# KiCad board central-control-unit.kicad_pcb (continued)
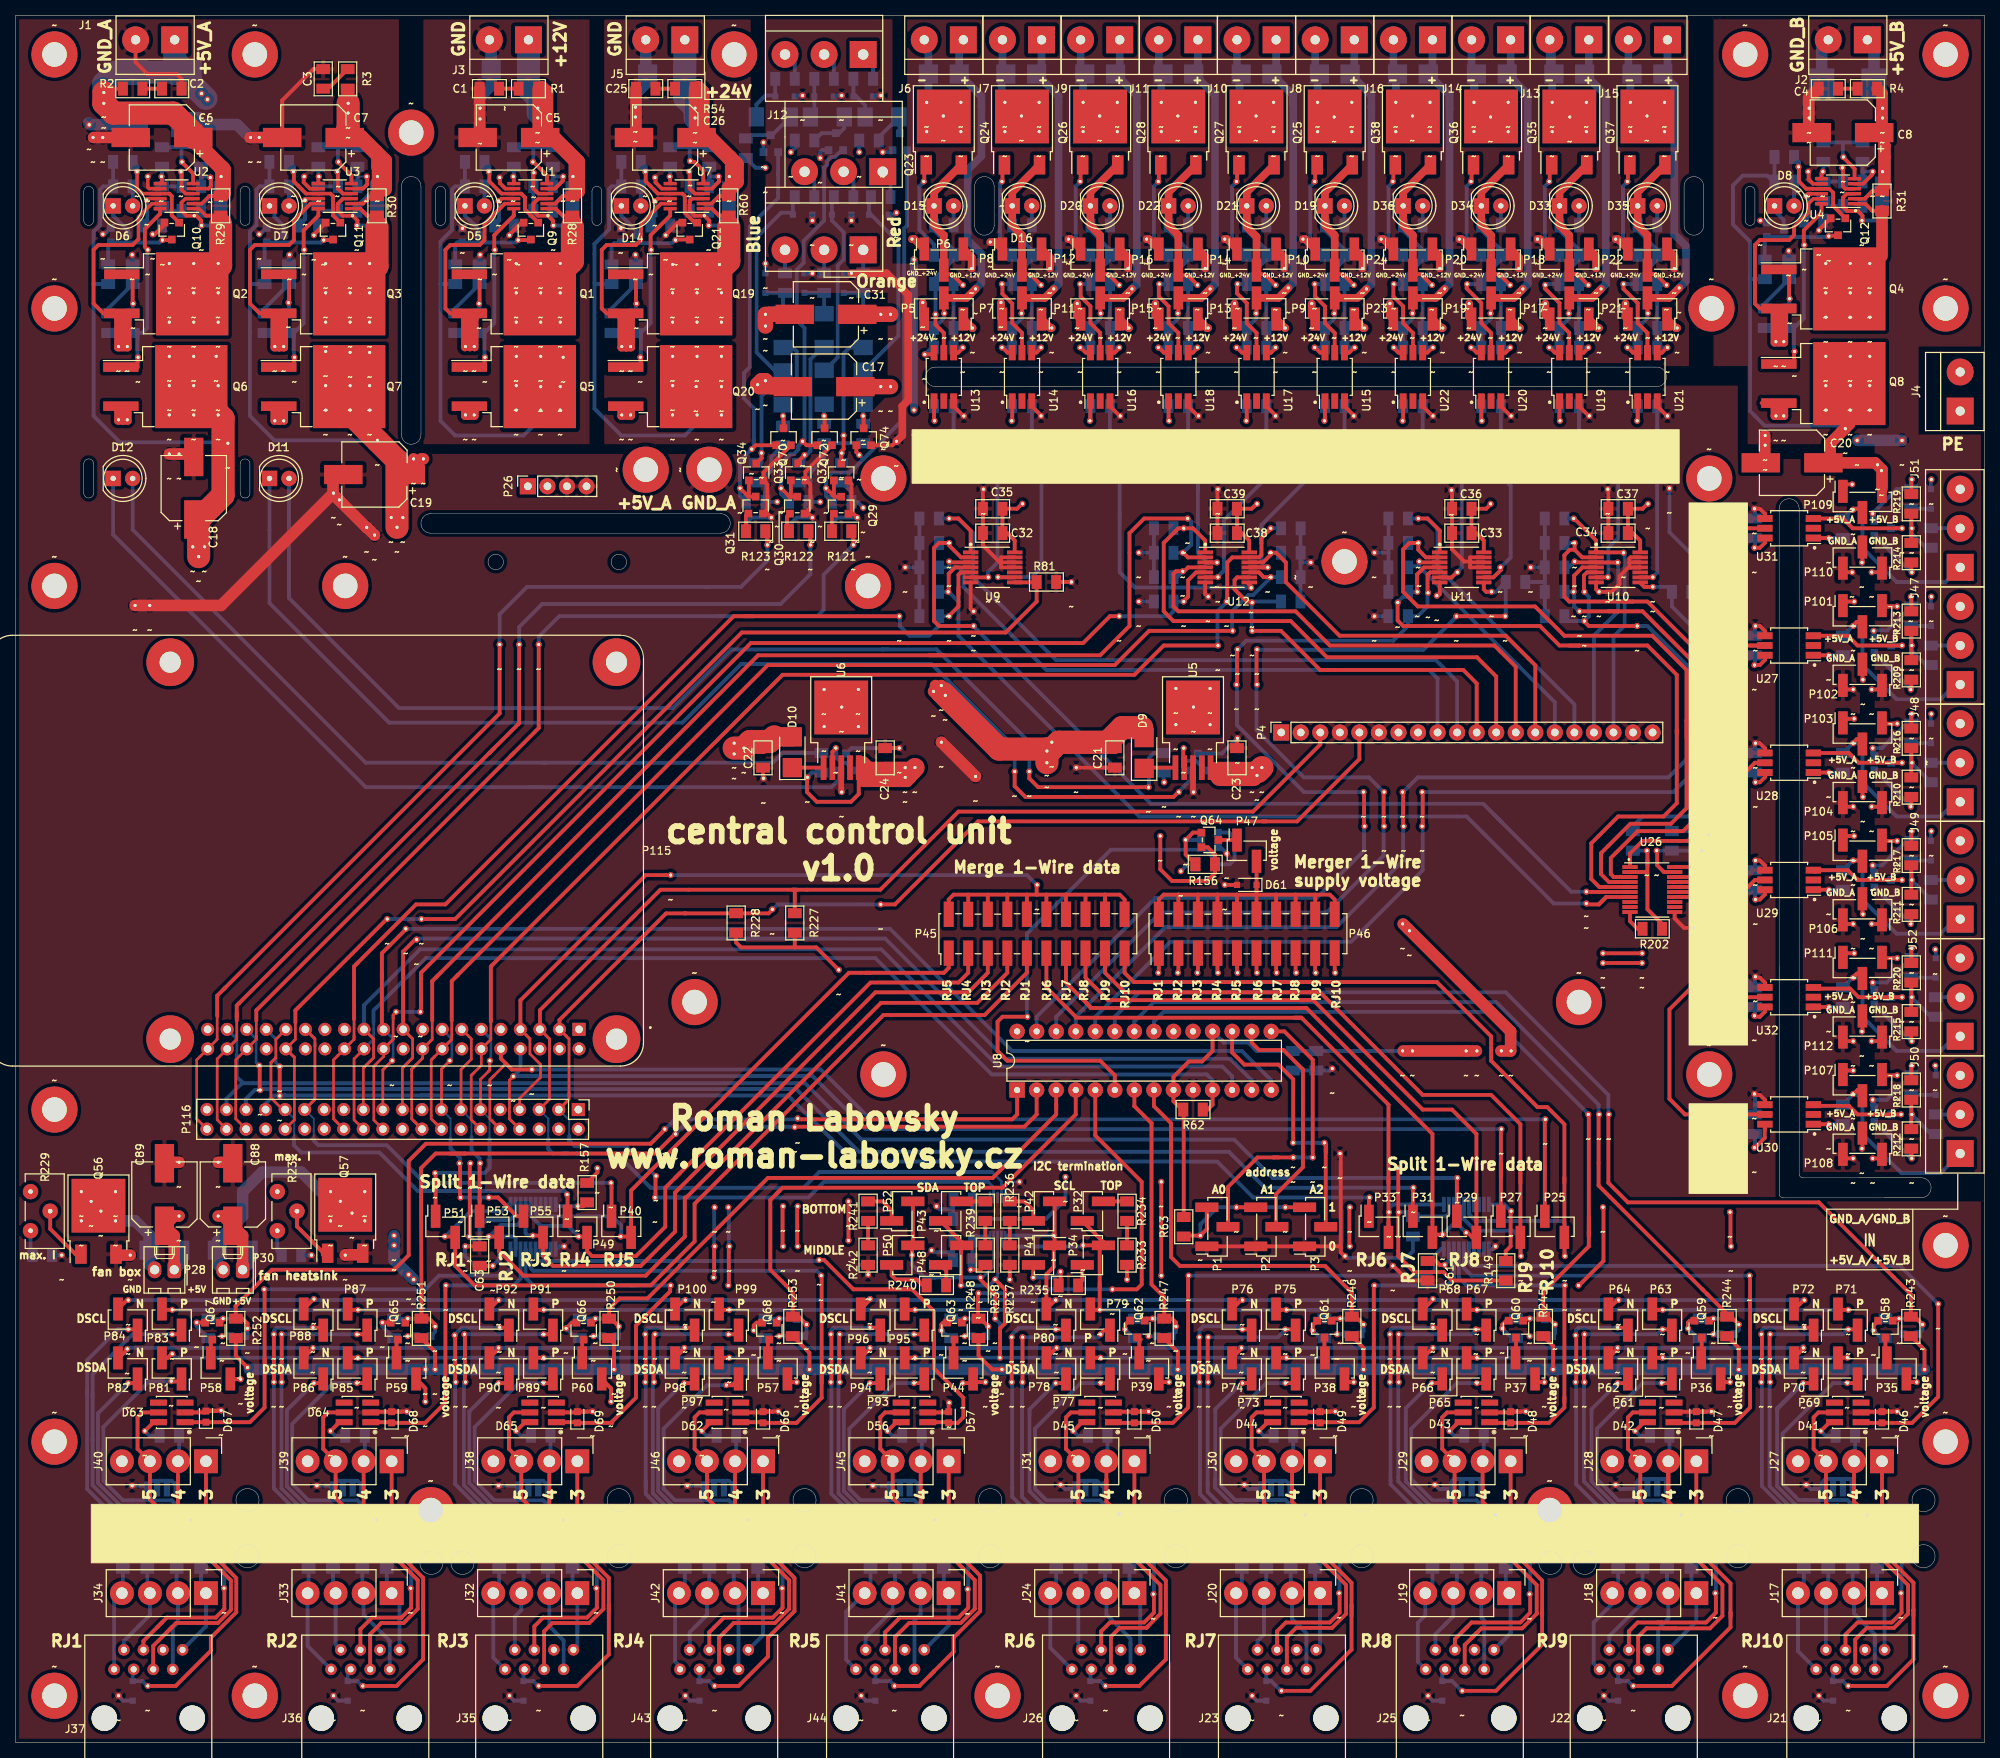
[diagram p0: board, top side]
## Placement (name value [footprint] x y rotation side) (continued)
~#683  ~  [via_pad_0.4x0.8mm]  226 77.34 0 top
~#684  ~  [via_pad_0.4x0.8mm]  238.82 75.95 0 top
~#685  ~  [via_pad_0.4x0.8mm]  241.36 83.57 0 top
~#686  ~  [via_pad_0.4x0.8mm]  249.49 88.01 0 top
~#687  ~  [via_pad_0.4x0.8mm]  244.54 101.98 0 top
~#688  ~  [via_pad_0.4x0.8mm]  244.54 117.22 0 top
~#689  ~  [via_pad_0.4x0.8mm]  244.54 132.46 0 top
~#690  ~  [via_pad_0.4x0.8mm]  244.54 147.7 0 top
~#691  ~  [via_pad_0.4x0.8mm]  241.24 91.19 0 top
~#692  ~  [via_pad_0.4x0.8mm]  241.24 106.43 0 top
~#693  ~  [via_pad_0.4x0.8mm]  241.24 121.67 0 top
~#694  ~  [via_pad_0.4x0.8mm]  241.24 136.91 0 top
~#695  ~  [via_pad_0.4x0.8mm]  241.24 152.15 0 top
~#696  ~  [via_pad_0.4x0.8mm]  238.95 102.62 0 top
~#697  ~  [via_pad_0.4x0.8mm]  238.95 117.86 0 top
~#698  ~  [via_pad_0.4x0.8mm]  238.95 133.1 0 top
~#699  ~  [via_pad_0.4x0.8mm]  238.95 148.34 0 top
~#700  ~  [via_pad_0.4x0.8mm]  238.7 163.58 0 top
~#701  ~  [via_pad_0.4x0.8mm]  238.82 91.19 0 top
~#702  ~  [via_pad_0.4x0.8mm]  238.82 106.43 0 top
~#703  ~  [via_pad_0.4x0.8mm]  238.82 121.67 0 top
~#704  ~  [via_pad_0.4x0.8mm]  238.82 136.91 0 top
~#705  ~  [via_pad_0.4x0.8mm]  238.7 152.15 0 top
~#706  ~  [via_pad_0.4x0.8mm]  246.44 103.25 0 top
~#707  ~  [via_pad_0.4x0.8mm]  246.44 118.49 0 top
~#708  ~  [via_pad_0.4x0.8mm]  246.44 133.73 0 top
~#709  ~  [via_pad_0.4x0.8mm]  246.32 148.97 0 top
~#710  ~  [via_pad_0.4x0.8mm]  246.44 164.21 0 top
~#711  ~  [via_pad_0.4x0.8mm]  242.51 165.35 0 top
~#712  ~  [via_pad_0.4x0.8mm]  242 166.12 0 top
~#713  ~  [via_pad_0.4x0.8mm]  245.17 169.29 0 top
~#714  ~  [via_pad_0.4x0.8mm]  239.33 169.29 0 top
~#715  ~  [via_pad_0.4x0.8mm]  227.39 169.93 0 top
~#716  ~  [via_pad_0.4x0.8mm]  227.39 168.66 0 top
~#717  ~  [via_pad_0.4x0.8mm]  228.79 172.47 0 top
~#718  ~  [via_pad_0.4x0.8mm]  229.81 182.12 0 top
~#719  ~  [via_pad_0.4x0.8mm]  228.79 182.12 0 top
~#720  ~  [via_pad_0.4x0.8mm]  232.47 194.69 0 top
~#721  ~  [via_pad_0.4x0.8mm]  226.76 197.87 0 top
~#722  ~  [via_pad_0.4x0.8mm]  234.38 196.6 0 top
~#723  ~  [via_pad_0.4x0.8mm]  232.98 204.22 0 top
~#724  ~  [via_pad_0.4x0.8mm]  242.63 211.2 0 top
~#725  ~  [via_pad_0.4x0.8mm]  233.11 211.2 0 top
~#726  ~  [via_pad_0.4x0.8mm]  205.8 183.9 0 top
~#727  ~  [via_pad_0.4x0.8mm]  198.82 187.07 0 top
~#728  ~  [via_pad_0.4x0.8mm]  205.42 191.64 0 top
~#729  ~  [via_pad_0.4x0.8mm]  195.39 191.64 0 top
~#730  ~  [via_pad_0.4x0.8mm]  185.1 191.64 0 top
~#731  ~  [via_pad_0.4x0.8mm]  175.07 191.64 0 top
~#732  ~  [via_pad_0.4x0.8mm]  164.91 191.64 0 top
~#733  ~  [via_pad_0.4x0.8mm]  154.62 191.64 0 top
~#734  ~  [via_pad_0.4x0.8mm]  144.59 191.64 0 top
~#735  ~  [via_pad_0.4x0.8mm]  134.43 191.64 0 top
~#736  ~  [via_pad_0.4x0.8mm]  124.27 191.64 0 top
~#737  ~  [via_pad_0.4x0.8mm]  197.8 195.45 0 top
~#738  ~  [via_pad_0.4x0.8mm]  187.64 195.45 0 top
~#739  ~  [via_pad_0.4x0.8mm]  177.48 195.45 0 top
~#740  ~  [via_pad_0.4x0.8mm]  167.32 195.45 0 top
~#741  ~  [via_pad_0.4x0.8mm]  147 195.45 0 top
~#742  ~  [via_pad_0.4x0.8mm]  136.84 195.45 0 top
~#743  ~  [via_pad_0.4x0.8mm]  126.68 195.07 0 top
~#744  ~  [via_pad_0.4x0.8mm]  116.52 195.45 0 top
~#745  ~  [via_pad_0.4x0.8mm]  120.59 211.45 0 top
~#746  ~  [via_pad_0.4x0.8mm]  212.15 185.8 0 top
~#747  ~  [via_pad_0.4x0.8mm]  216.22 189.1 0 top
~#748  ~  [via_pad_0.4x0.8mm]  209.49 202.95 0 top
~#749  ~  [via_pad_0.4x0.8mm]  201.87 185.8 0 top
~#750  ~  [via_pad_0.4x0.8mm]  206.06 188.98 0 top
~#751  ~  [via_pad_0.4x0.8mm]  191.71 185.8 0 top
~#752  ~  [via_pad_0.4x0.8mm]  195.9 188.98 0 top
~#753  ~  [via_pad_0.4x0.8mm]  181.55 185.8 0 top
~#754  ~  [via_pad_0.4x0.8mm]  185.74 188.98 0 top
~#755  ~  [via_pad_0.4x0.8mm]  171.39 185.8 0 top
~#756  ~  [via_pad_0.4x0.8mm]  175.58 188.98 0 top
~#757  ~  [via_pad_0.4x0.8mm]  161.23 185.8 0 top
~#758  ~  [via_pad_0.4x0.8mm]  165.42 189.1 0 top
~#759  ~  [via_pad_0.4x0.8mm]  151.07 185.8 0 top
~#760  ~  [via_pad_0.4x0.8mm]  155.26 188.98 0 top
~#761  ~  [via_pad_0.4x0.8mm]  141.03 185.8 0 top
~#762  ~  [via_pad_0.4x0.8mm]  145.1 188.98 0 top
~#763  ~  [via_pad_0.4x0.8mm]  130.75 185.8 0 top
~#764  ~  [via_pad_0.4x0.8mm]  134.94 188.98 0 top
~#765  ~  [via_pad_0.4x0.8mm]  120.71 185.8 0 top
~#766  ~  [via_pad_0.4x0.8mm]  124.78 188.98 0 top
~#767  ~  [via_pad_0.4x0.8mm]  50.36 159.26 0 top
~#768  ~  [via_pad_0.4x0.8mm]  49.59 157.99 0 top
~#769  ~  [via_pad_0.4x0.8mm]  47.05 169.29 0 top
~#770  ~  [via_pad_0.4x0.8mm]  45.66 157.99 0 top
~#771  ~  [via_pad_0.4x0.8mm]  41.34 162.43 0 top
~#772  ~  [via_pad_0.4x0.8mm]  65.47 142.75 0 top
~#773  ~  [via_pad_0.4x0.8mm]  62.93 142.75 0 top
~#774  ~  [via_pad_0.4x0.8mm]  23.81 154.18 0 top
~#775  ~  [via_pad_0.4x0.8mm]  23.05 155.45 0 top
~#776  ~  [via_pad_0.4x0.8mm]  33.72 171.83 0 top
~#777  ~  [via_pad_0.4x0.8mm]  34.86 181.48 0 top
~#778  ~  [via_pad_0.4x0.8mm]  33.72 181.48 0 top
~#779  ~  [via_pad_0.4x0.8mm]  31.69 196.09 0 top
~#780  ~  [via_pad_0.4x0.8mm]  38.8 195.96 0 top
~#781  ~  [via_pad_0.4x0.8mm]  37.53 203.58 0 top
~#782  ~  [via_pad_0.4x0.8mm]  31.69 208.66 0 top
~#783  ~  [via_pad_0.4x0.8mm]  30.54 208.66 0 top
~#784  ~  [via_pad_0.4x0.8mm]  43.24 211.84 0 top
~#785  ~  [via_pad_0.4x0.8mm]  43.24 213.11 0 top
~#786  ~  [via_pad_0.4x0.8mm]  24.96 213.61 0 top
~#787  ~  [via_pad_0.4x0.8mm]  24.19 214.38 0 top
~#788  ~  [via_pad_0.4x0.8mm]  20 167.51 0 top
~#789  ~  [via_pad_0.4x0.8mm]  13.4 171.96 0 top
~#790  ~  [via_pad_0.4x0.8mm]  14.54 181.48 0 top
~#791  ~  [via_pad_0.4x0.8mm]  13.4 181.48 0 top
~#792  ~  [via_pad_0.4x0.8mm]  15.18 193.42 0 top
~#793  ~  [via_pad_0.4x0.8mm]  11.37 196.09 0 top
~#794  ~  [via_pad_0.4x0.8mm]  17.84 196.09 0 top
~#795  ~  [via_pad_0.4x0.8mm]  17.21 203.58 0 top
~#796  ~  [via_pad_0.4x0.8mm]  11.37 208.66 0 top
~#797  ~  [via_pad_0.4x0.8mm]  10.1 208.66 0 top
~#798  ~  [via_pad_0.4x0.8mm]  9.59 210.31 0 top
~#799  ~  [via_pad_0.4x0.8mm]  11.49 213.11 0 top
~#800  ~  [via_pad_0.4x0.8mm]  11.49 214.5 0 top
~#801  ~  [via_pad_0.4x0.8mm]  61.53 204.22 0 top
~#802  ~  [via_pad_0.4x0.8mm]  62.8 200.41 0 top
~#803  ~  [via_pad_0.4x0.8mm]  67.88 212.47 0 top
~#804  ~  [via_pad_0.4x0.8mm]  67.88 211.2 0 top
~#805  ~  [via_pad_0.4x0.8mm]  72.45 203.58 0 top
~#806  ~  [via_pad_0.4x0.8mm]  64.71 203.58 0 top
~#807  ~  [via_pad_0.4x0.8mm]  71.18 203.58 0 top
~#808  ~  [via_pad_0.4x0.8mm]  69.91 197.23 0 top
~#809  ~  [via_pad_0.4x0.8mm]  60.39 193.42 0 top
~#810  ~  [via_pad_0.4x0.8mm]  60.39 212.47 90 top
~#811  ~  [via_pad_0.4x0.8mm]  62.93 203.45 0 top
~#812  ~  [via_pad_0.4x0.8mm]  65.34 195.33 0 top
~#813  ~  [via_pad_0.4x0.8mm]  88.33 211.2 0 top
~#814  ~  [via_pad_0.4x0.8mm]  60.26 187.07 0 top
~#815  ~  [via_pad_0.4x0.8mm]  60.39 211.07 0 top
~#816  ~  [via_pad_0.4x0.8mm]  64.2 195.96 0 top
~#817  ~  [via_pad_0.4x0.8mm]  58.48 172.59 0 top
~#818  ~  [via_pad_0.4x0.8mm]  67.25 205.49 0 top
~#819  ~  [via_pad_0.4x0.8mm]  59.63 181.48 0 top
~#820  ~  [via_pad_0.4x0.8mm]  67.37 204.09 0 top
~#821  ~  [via_pad_0.4x0.8mm]  62.29 194.06 0 top
~#822  ~  [via_pad_0.4x0.8mm]  61.02 180.09 0 top
~#823  ~  [via_pad_0.4x0.8mm]  58.1 196.85 0 top
~#824  ~  [via_pad_0.4x0.8mm]  59.63 172.59 0 top
~#825  ~  [via_pad_0.4x0.8mm]  58.48 181.48 0 top
~#826  ~  [via_pad_0.4x0.8mm]  88.33 212.47 0 top
~#827  ~  [via_pad_0.4x0.8mm]  87.69 205.61 0 top
~#828  ~  [via_pad_0.4x0.8mm]  87.57 204.22 0 top
~#829  ~  [via_pad_0.4x0.8mm]  85.03 203.58 0 top
~#830  ~  [via_pad_0.4x0.8mm]  91.38 203.58 0 top
~#831  ~  [via_pad_0.4x0.8mm]  85.79 195.33 0 top
~#832  ~  [via_pad_0.4x0.8mm]  83.12 200.41 0 top
~#833  ~  [via_pad_0.4x0.8mm]  90.11 197.23 0 top
~#834  ~  [via_pad_0.4x0.8mm]  80.58 212.6 0 top
~#835  ~  [via_pad_0.4x0.8mm]  78.8 181.48 0 top
~#836  ~  [via_pad_0.4x0.8mm]  80.58 193.42 0 top
~#837  ~  [via_pad_0.4x0.8mm]  78.68 196.85 0 top
~#838  ~  [via_pad_0.4x0.8mm]  92.77 203.58 0 top
~#839  ~  [via_pad_0.4x0.8mm]  81.85 204.22 0 top
~#840  ~  [via_pad_0.4x0.8mm]  84.52 195.96 0 top
~#841  ~  [via_pad_0.4x0.8mm]  80.58 211.33 0 top
~#842  ~  [via_pad_0.4x0.8mm]  80.71 187.07 0 top
~#843  ~  [via_pad_0.4x0.8mm]  83.12 203.45 0 top
~#844  ~  [via_pad_0.4x0.8mm]  82.61 194.06 0 top
~#845  ~  [via_pad_0.4x0.8mm]  81.22 180.09 0 top
~#846  ~  [via_pad_0.4x0.8mm]  78.8 172.59 0 top
~#847  ~  [via_pad_0.4x0.8mm]  79.95 181.48 0 top
~#848  ~  [via_pad_0.4x0.8mm]  79.95 172.59 0 top
~#849  ~  [via_pad_0.4x0.8mm]  68.26 176.28 0 top
~#850  ~  [via_pad_0.4x0.8mm]  91.76 176.28 0 top
~#851  ~  [via_pad_0.4x0.8mm]  88.46 176.28 0 top
~#852  ~  [via_pad_0.4x0.8mm]  70.8 176.28 0 top
~#853  ~  [via_pad_0.4x0.8mm]  91.5 192.15 0 top
~#854  ~  [via_pad_0.4x0.8mm]  71.18 180.09 0 top
~#855  ~  [via_pad_0.4x0.8mm]  70.8 192.28 0 top
~#856  ~  [via_pad_0.4x0.8mm]  26.1 180.21 0 top
~#857  ~  [via_pad_0.4x0.8mm]  26.35 192.28 0 top
~#858  ~  [via_pad_0.4x0.8mm]  46.04 180.72 0 top
~#859  ~  [via_pad_0.4x0.8mm]  40.32 192.28 0 top
~#860  ~  [via_pad_0.4x0.8mm]  46.04 192.28 0 top
~#861  ~  [via_pad_0.4x0.8mm]  46.04 188.47 0 top
~#862  ~  [via_pad_0.4x0.8mm]  46.04 184.66 0 top
~#863  ~  [via_pad_0.4x0.8mm]  40.32 184.66 0 top
~#864  ~  [via_pad_0.4x0.8mm]  40.32 188.47 0 top
~#865  ~  [via_pad_0.4x0.8mm]  43.5 192.28 0 top
~#866  ~  [via_pad_0.4x0.8mm]  43.5 188.47 0 top
~#867  ~  [via_pad_0.4x0.8mm]  43.5 184.66 0 top
~#868  ~  [via_pad_0.4x0.8mm]  43.5 180.72 0 top
~#869  ~  [via_pad_0.4x0.8mm]  40.32 180.85 0 top
~#870  ~  [via_pad_0.4x0.8mm]  40.32 176.4 0 top
~#871  ~  [via_pad_0.4x0.8mm]  43.5 176.4 0 top
~#872  ~  [via_pad_0.4x0.8mm]  46.04 176.4 0 top
~#873  ~  [via_pad_0.4x0.8mm]  46.04 173.23 0 top
~#874  ~  [via_pad_0.4x0.8mm]  43.5 173.23 0 top
~#875  ~  [via_pad_0.4x0.8mm]  40.32 173.23 0 top
~#876  ~  [via_pad_0.4x0.8mm]  23.18 192.28 0 top
~#877  ~  [via_pad_0.4x0.8mm]  20 192.28 0 top
~#878  ~  [via_pad_0.4x0.8mm]  20 188.47 0 top
~#879  ~  [via_pad_0.4x0.8mm]  23.18 188.47 0 top
~#880  ~  [via_pad_0.4x0.8mm]  26.35 188.47 0 top
~#881  ~  [via_pad_0.4x0.8mm]  26.35 184.66 0 top
~#882  ~  [via_pad_0.4x0.8mm]  23.18 184.66 0 top
~#883  ~  [via_pad_0.4x0.8mm]  20 184.66 0 top
~#884  ~  [via_pad_0.4x0.8mm]  23.18 180.21 0 top
~#885  ~  [via_pad_0.4x0.8mm]  20 180.21 0 top
~#886  ~  [via_pad_0.4x0.8mm]  20 176.4 0 top
~#887  ~  [via_pad_0.4x0.8mm]  23.18 176.4 0 top
~#888  ~  [via_pad_0.4x0.8mm]  26.35 176.4 0 top
~#889  ~  [via_pad_0.4x0.8mm]  26.35 172.59 0 top
~#890  ~  [via_pad_0.4x0.8mm]  23.18 172.59 0 top
~#891  ~  [via_pad_0.4x0.8mm]  20 172.59 0 top
~#892  ~  [via_pad_0.4x0.8mm]  68.26 192.28 0 top
~#893  ~  [via_pad_0.4x0.8mm]  65.09 192.28 0 top
~#894  ~  [via_pad_0.4x0.8mm]  65.09 188.47 0 top
~#895  ~  [via_pad_0.4x0.8mm]  68.26 188.47 0 top
~#896  ~  [via_pad_0.4x0.8mm]  70.8 188.47 0 top
~#897  ~  [via_pad_0.4x0.8mm]  70.8 184.66 0 top
~#898  ~  [via_pad_0.4x0.8mm]  68.26 184.66 0 top
~#899  ~  [via_pad_0.4x0.8mm]  65.09 184.66 0 top
~#900  ~  [via_pad_0.4x0.8mm]  68.26 180.21 0 top
~#901  ~  [via_pad_0.4x0.8mm]  65.09 180.21 0 top
~#902  ~  [via_pad_0.4x0.8mm]  65.09 176.4 0 top
~#903  ~  [via_pad_0.4x0.8mm]  70.8 173.23 0 top
~#904  ~  [via_pad_0.4x0.8mm]  68.26 173.23 0 top
~#905  ~  [via_pad_0.4x0.8mm]  65.09 173.23 0 top
~#906  ~  [via_pad_0.4x0.8mm]  88.58 192.15 0 top
~#907  ~  [via_pad_0.4x0.8mm]  85.41 192.15 0 top
~#908  ~  [via_pad_0.4x0.8mm]  85.41 188.47 0 top
~#909  ~  [via_pad_0.4x0.8mm]  88.58 188.47 0 top
~#910  ~  [via_pad_0.4x0.8mm]  91.76 188.47 0 top
~#911  ~  [via_pad_0.4x0.8mm]  91.76 184.66 0 top
~#912  ~  [via_pad_0.4x0.8mm]  88.58 184.66 0 top
~#913  ~  [via_pad_0.4x0.8mm]  85.41 184.66 0 top
~#914  ~  [via_pad_0.4x0.8mm]  91.76 180.21 0 top
~#915  ~  [via_pad_0.4x0.8mm]  88.58 180.21 0 top
~#916  ~  [via_pad_0.4x0.8mm]  85.41 180.21 0 top
~#917  ~  [via_pad_0.4x0.8mm]  85.41 176.4 0 top
~#918  ~  [via_pad_0.4x0.8mm]  85.41 172.59 0 top
~#919  ~  [via_pad_0.4x0.8mm]  88.58 172.59 0 top
~#920  ~  [via_pad_0.4x0.8mm]  91.76 172.59 0 top
~#921  ~  [via_pad_0.4x0.8mm]  118.43 213.23 0 top
~#922  ~  [via_pad_0.4x0.8mm]  122.87 213.23 0 top
~#923  ~  [via_pad_0.4x0.8mm]  122.87 209.42 0 top
~#924  ~  [via_pad_0.4x0.8mm]  118.43 209.42 0 top
~#925  ~  [via_pad_0.4x0.8mm]  128.59 213.23 0 top
~#926  ~  [via_pad_0.4x0.8mm]  133.03 213.23 0 top
~#927  ~  [via_pad_0.4x0.8mm]  133.03 209.42 0 top
~#928  ~  [via_pad_0.4x0.8mm]  128.59 209.42 0 top
~#929  ~  [via_pad_0.4x0.8mm]  138.75 213.23 0 top
~#930  ~  [via_pad_0.4x0.8mm]  143.19 213.23 0 top
~#931  ~  [via_pad_0.4x0.8mm]  143.19 209.42 0 top
~#932  ~  [via_pad_0.4x0.8mm]  138.75 209.42 0 top
~#933  ~  [via_pad_0.4x0.8mm]  148.91 213.23 0 top
~#934  ~  [via_pad_0.4x0.8mm]  153.35 213.23 0 top
~#935  ~  [via_pad_0.4x0.8mm]  153.35 209.42 0 top
~#936  ~  [via_pad_0.4x0.8mm]  148.91 209.42 0 top
~#937  ~  [via_pad_0.4x0.8mm]  159.07 213.23 0 top
~#938  ~  [via_pad_0.4x0.8mm]  163.51 213.23 0 top
~#939  ~  [via_pad_0.4x0.8mm]  163.51 209.42 0 top
~#940  ~  [via_pad_0.4x0.8mm]  159.07 209.42 0 top
~#941  ~  [via_pad_0.4x0.8mm]  169.23 213.23 0 top
~#942  ~  [via_pad_0.4x0.8mm]  173.67 213.23 0 top
~#943  ~  [via_pad_0.4x0.8mm]  173.67 209.42 0 top
~#944  ~  [via_pad_0.4x0.8mm]  169.23 209.42 0 top
~#945  ~  [via_pad_0.4x0.8mm]  179.39 213.23 0 top
~#946  ~  [via_pad_0.4x0.8mm]  183.83 213.23 0 top
~#947  ~  [via_pad_0.4x0.8mm]  183.83 209.42 0 top
~#948  ~  [via_pad_0.4x0.8mm]  179.39 209.42 0 top
~#949  ~  [via_pad_0.4x0.8mm]  189.55 213.23 0 top
~#950  ~  [via_pad_0.4x0.8mm]  193.99 213.23 0 top
~#951  ~  [via_pad_0.4x0.8mm]  189.55 209.42 0 top
~#952  ~  [via_pad_0.4x0.8mm]  193.99 209.42 0 top
~#953  ~  [via_pad_0.4x0.8mm]  199.71 213.23 0 top
~#954  ~  [via_pad_0.4x0.8mm]  204.15 213.23 0 top
~#955  ~  [via_pad_0.4x0.8mm]  204.15 209.42 0 top
~#956  ~  [via_pad_0.4x0.8mm]  199.71 209.42 0 top
~#957  ~  [via_pad_0.4x0.8mm]  209.87 213.23 0 top
~#958  ~  [via_pad_0.4x0.8mm]  214.31 213.23 0 top
~#959  ~  [via_pad_0.4x0.8mm]  214.31 209.42 0 top
~#960  ~  [via_pad_0.4x0.8mm]  209.87 209.42 0 top
~#961  ~  [via_pad_0.4x0.8mm]  157.16 195.45 0 top
~#962  ~  [via_pad_0.4x0.8mm]  240.98 192.28 0 top
~#963  ~  [via_pad_0.4x0.8mm]  240.98 188.47 0 top
~#964  ~  [via_pad_0.4x0.8mm]  240.98 185.29 0 top
~#965  ~  [via_pad_0.4x0.8mm]  238.44 185.29 0 top
~#966  ~  [via_pad_0.4x0.8mm]  235.27 185.29 0 top
~#967  ~  [via_pad_0.4x0.8mm]  235.27 188.47 0 top
~#968  ~  [via_pad_0.4x0.8mm]  238.44 188.47 0 top
~#969  ~  [via_pad_0.4x0.8mm]  238.44 192.28 0 top
~#970  ~  [via_pad_0.4x0.8mm]  235.27 192.28 0 top
~#971  ~  [via_pad_0.4x0.8mm]  240.98 180.21 0 top
~#972  ~  [via_pad_0.4x0.8mm]  240.98 176.4 0 top
~#973  ~  [via_pad_0.4x0.8mm]  240.98 173.23 0 top
~#974  ~  [via_pad_0.4x0.8mm]  238.44 173.23 0 top
~#975  ~  [via_pad_0.4x0.8mm]  235.27 173.23 0 top
~#976  ~  [via_pad_0.4x0.8mm]  235.27 176.4 0 top
~#977  ~  [via_pad_0.4x0.8mm]  238.44 176.4 0 top
~#978  ~  [via_pad_0.4x0.8mm]  238.44 180.21 0 top
~#979  ~  [via_pad_0.4x0.8mm]  235.27 180.21 0 top
~#980  ~  [via_pad_0.4x0.8mm]  122.87 59.44 0 top
~#981  ~  [via_pad_0.4x0.8mm]  116.52 63.37 0 top
~#982  ~  [via_pad_0.4x0.8mm]  138.75 64.64 0 top
~#983  ~  [via_pad_0.4x0.8mm]  134.94 65.91 0 top
~#984  ~  [via_pad_0.4x0.8mm]  124.14 61.47 0 top
~#985  ~  [via_pad_0.4x0.8mm]  144.46 60.2 0 top
~#986  ~  [via_pad_0.4x0.8mm]  110.81 60.83 0 top
~#987  ~  [via_pad_0.4x0.8mm]  129.22 60.2 0 top
~#988  ~  [via_pad_0.4x0.8mm]  119.7 69.72 0 top
~#989  ~  [via_pad_0.4x0.8mm]  130.49 72.9 0 top
~#990  ~  [via_pad_0.4x0.8mm]  119.06 64.01 0 top
~#991  ~  [via_pad_0.4x0.8mm]  108.27 70.36 0 top
~#992  ~  [via_pad_0.4x0.8mm]  108.27 65.28 0 top
~#993  ~  [via_pad_0.4x0.8mm]  135.83 61.21 0 top
~#994  ~  [via_pad_0.4x0.8mm]  142.56 58.93 0 top
~#995  ~  [via_pad_0.4x0.8mm]  104.46 62.74 0 top
~#996  ~  [via_pad_0.4x0.8mm]  127.32 55.12 0 top
~#997  ~  [via_pad_0.4x0.8mm]  125.41 60.45 0 top
~#998  ~  [via_pad_0.4x0.8mm]  127.95 50.04 0 top
~#999  ~  [via_pad_0.4x0.8mm]  127.32 60.2 0 top
~#1000  ~  [via_pad_0.4x0.8mm]  125.16 58.42 0 top
~#1001  ~  [via_pad_0.4x0.8mm]  132.27 60.45 0 top
~#1002  ~  [via_pad_0.4x0.8mm]  46.67 156.97 0 top
~#1003  ~  [via_pad_0.4x0.8mm]  42.1 161.54 0 top
~#1004  -  [mounting_hole_pad_3.2x6mm]  250.83 39.12 0 top
~#1005  ~  [via_pad_0.4x0.8mm]  33.59 46.86 0 top
~#1006  -  [mounting_hole_pad_3.2x6mm]  250.83 64.64 0 top
~#1007  -  [mounting_hole_pad_3.2x6mm]  93.41 219.46 0 top
~#1008  ~  [via_pad_0.4x0.8mm]  51.75 166.88 0 top
~#1009  ~  [via_pad_0.4x0.8mm]  53.02 166.88 0 top
~#1010  ~  [via_pad_0.4x0.8mm]  15.56 147.83 0 top
~#1011  ~  [via_pad_0.4x0.8mm]  17.46 147.83 0 top
~#1012  ~  [via_pad_0.4x0.8mm]  8.57 71.63 0 top
~#1013  ~  [via_pad_0.4x0.8mm]  13.02 71.63 0 top
~#1014  ~  [via_pad_0.4x0.8mm]  13.02 67.82 0 top
~#1015  ~  [via_pad_0.4x0.8mm]  8.57 67.82 0 top
~#1016  ~  [via_pad_0.4x0.8mm]  40.96 71.63 0 top
~#1017  ~  [via_pad_0.4x0.8mm]  45.4 71.63 0 top
~#1018  ~  [via_pad_0.4x0.8mm]  45.4 67.82 0 top
~#1019  ~  [via_pad_0.4x0.8mm]  40.96 67.82 0 top
~#1020  ~  [via_pad_0.4x0.8mm]  14.92 63.37 0 top
~#1021  ~  [via_pad_0.4x0.8mm]  26.35 68.45 0 top
~#1022  ~  [via_pad_0.4x0.8mm]  21.27 68.45 0 top
~#1023  ~  [via_pad_0.4x0.8mm]  166.05 76.07 0 top
~#1024  ~  [via_pad_0.4x0.8mm]  168.59 76.07 0 top
~#1025  ~  [via_pad_0.4x0.8mm]  170.12 77.98 0 top
~#1026  ~  [via_pad_0.4x0.8mm]  166.05 77.98 0 top
~#1027  ~  [via_pad_0.4x0.8mm]  30.16 53.85 0 top
~#1028  ~  [via_pad_0.4x0.8mm]  26.99 55.12 0 top
~#1029  ~  [via_pad_0.4x0.8mm]  54.55 54.1 0 top
~#1030  ~  [via_pad_0.4x0.8mm]  50.99 55.12 0 top
~#1031  ~  [via_pad_0.4x0.8mm]  75.37 55.12 0 top
~#1032  ~  [via_pad_0.4x0.8mm]  78.42 54.1 0 top
~#1033  ~  [via_pad_0.4x0.8mm]  30.16 48.77 0 top
~#1034  ~  [via_pad_0.4x0.8mm]  49.21 65.91 0 top
~#1035  ~  [via_pad_0.4x0.8mm]  51.12 60.83 0 top
~#1036  ~  [via_pad_0.4x0.8mm]  54.55 48.51 0 top
~#1037  ~  [via_pad_0.4x0.8mm]  77.79 48.51 0 top
~#1038  ~  [via_pad_0.4x0.8mm]  75.12 52.83 0 top
~#1039  ~  [via_pad_0.4x0.8mm]  123.38 52.83 0 top
~#1040  ~  [via_pad_0.4x0.8mm]  123.38 55.12 0 top
~#1041  ~  [via_pad_0.4x0.8mm]  126.43 54.1 0 top
~#1042  ~  [via_pad_0.4x0.8mm]  128.21 48.51 0 top
~#1043  ~  [via_pad_0.4x0.8mm]  99.25 52.83 0 top
~#1044  ~  [via_pad_0.4x0.8mm]  99.25 55.12 0 top
~#1045  ~  [via_pad_0.4x0.8mm]  103.19 48.51 0 top
~#1046  ~  [via_pad_0.4x0.8mm]  147.76 55.12 0 top
~#1047  ~  [via_pad_0.4x0.8mm]  150.81 54.1 0 top
~#1048  ~  [via_pad_0.4x0.8mm]  151.07 48.51 0 top
~#1049  ~  [via_pad_0.4x0.8mm]  130.87 46.86 0 top
~#1050  ~  [via_pad_0.4x0.8mm]  172.15 55.12 0 top
~#1051  ~  [via_pad_0.4x0.8mm]  175.2 48.51 0 top
~#1052  ~  [via_pad_0.4x0.8mm]  175.2 54.36 0 top
~#1053  ~  [via_pad_0.4x0.8mm]  199.83 48.51 0 top
~#1054  ~  [via_pad_0.4x0.8mm]  196.79 55.12 0 top
~#1055  ~  [via_pad_0.4x0.8mm]  200.09 54.36 0 top
~#1056  ~  [via_pad_0.4x0.8mm]  220.66 55.12 0 top
~#1057  ~  [via_pad_0.4x0.8mm]  223.96 54.36 0 top
~#1058  ~  [via_pad_0.4x0.8mm]  223.96 48.51 0 top
~#1059  ~  [via_pad_0.4x0.8mm]  244.79 55.12 0 top
~#1060  ~  [via_pad_0.4x0.8mm]  248.09 48.51 0 top
~#1061  ~  [via_pad_0.4x0.8mm]  247.84 54.36 0 top
~#1062  ~  [via_pad_0.4x0.8mm]  151.45 113.28 0 top
~#1063  ~  [via_pad_0.4x0.8mm]  152.08 117.35 0 top
~#1064  ~  [via_pad_0.4x0.8mm]  157.42 115.57 0 top
~#1065  ~  [via_pad_0.4x0.8mm]  148.78 117.86 0 top
~#1066  ~  [via_pad_0.4x0.8mm]  51.75 60.2 0 top
~#1067  ~  [via_pad_0.4x0.8mm]  49.21 64.64 0 top
~#1068  ~  [via_pad_0.4x0.8mm]  53.28 48.51 0 top
~#1069  ~  [via_pad_0.4x0.8mm]  113.73 176.28 0 top
~#1070  ~  [via_pad_0.4x0.8mm]  97.47 177.04 0 top
~#1071  ~  [via_pad_0.4x0.8mm]  96.46 176.53 0 top
~#1072  ~  [via_pad_0.4x0.8mm]  112.46 185.67 0 top
~#1073  ~  [via_pad_0.4x0.8mm]  113.73 185.67 0 top
~#1074  ~  [via_pad_0.4x0.8mm]  97.47 185.67 0 top
~#1075  ~  [via_pad_0.4x0.8mm]  97.47 184.15 0 top
~#1076  ~  [via_pad_0.4x0.8mm]  99 161.29 0 top
~#1077  ~  [via_pad_0.4x0.8mm]  104.58 161.29 0 top
~#1078  ~  [via_pad_0.4x0.8mm]  110.17 160.53 0 top
~#1079  ~  [via_pad_0.4x0.8mm]  107.38 167.64 0 top
~#1080  ~  [via_pad_0.4x0.8mm]  107.63 169.93 0 top
~#1081  ~  [via_pad_0.4x0.8mm]  112.46 176.28 0 top
~#1082  ~  [via_pad_0.4x0.8mm]  116.78 173.23 0 top
~#1083  ~  [via_pad_0.4x0.8mm]  116.78 192.79 0 top
~#1084  ~  [via_pad_0.4x0.8mm]  97.47 204.72 0 top
~#1085  ~  [via_pad_0.4x0.8mm]  100.77 206.76 0 top
~#1086  ~  [via_pad_0.4x0.8mm]  109.66 206.76 0 top
~#1087  ~  [via_pad_0.4x0.8mm]  102.55 167.39 0 top
~#1088  ~  [via_pad_0.4x0.8mm]  98.23 159.26 0 top
~#1089  ~  [via_pad_0.4x0.8mm]  103.57 159.26 0 top
~#1090  ~  [via_pad_0.4x0.8mm]  109.41 159.26 0 top
~#1091  ~  [via_pad_0.4x0.8mm]  114.49 169.16 0 top
~#1092  ~  [via_pad_0.4x0.8mm]  103.57 191.01 0 top
~#1093  ~  [via_pad_0.4x0.8mm]  108.65 191.01 0 top
~#1094  ~  [via_pad_0.4x0.8mm]  97.47 192.28 0 top
~#1095  ~  [via_pad_0.4x0.8mm]  114.49 198.88 0 top
~#1096  ~  [via_pad_0.4x0.8mm]  108.65 197.87 0 top
~#1097  ~  [via_pad_0.4x0.8mm]  103.57 197.87 0 top
~#1098  ~  [via_pad_0.4x0.8mm]  97.22 208.03 0 top
~#1099  ~  [via_pad_0.4x0.8mm]  104.58 205.99 0 top
~#1100  ~  [via_pad_0.4x0.8mm]  112.71 206.76 0 top
~#1101  ~  [via_pad_0.4x0.8mm]  112.46 214.12 0 top
~#1102  ~  [via_pad_0.4x0.8mm]  107.38 214.12 0 top
~#1103  ~  [via_pad_0.4x0.8mm]  102.3 214.12 0 top
~#1104  ~  [via_pad_0.4x0.8mm]  105.35 163.07 0 top
~#1105  ~  [via_pad_0.4x0.8mm]  99.5 163.07 0 top
~#1106  ~  [via_pad_0.4x0.8mm]  94.17 163.07 0 top
~#1107  ~  [via_pad_0.4x0.8mm]  109.66 167.39 0 top
~#1108  ~  [via_pad_0.4x0.8mm]  102.3 169.16 0 top
~#1109  ~  [via_pad_0.4x0.8mm]  95.69 168.15 0 top
~#1110  ~  [via_pad_0.4x0.8mm]  108.9 155.7 0 top
~#1111  ~  [via_pad_0.4x0.8mm]  103.31 155.7 0 top
~#1112  ~  [via_pad_0.4x0.8mm]  97.73 155.7 0 top
~#1113  ~  [via_pad_0.4x0.8mm]  105.09 172.47 0 top
~#1114  ~  [via_pad_0.4x0.8mm]  99.76 172.47 0 top
~#1115  ~  [via_pad_0.4x0.8mm]  96.96 167.64 0 top
~#1116  ~  [via_pad_0.4x0.8mm]  110.17 172.47 0 top
~#1117  ~  [via_pad_0.4x0.8mm]  123.13 189.48 0 top
~#1118  ~  [via_pad_0.4x0.8mm]  16.83 40.51 0 top
~#1119  ~  [via_pad_0.4x0.8mm]  40.96 40.51 0 top
~#1120  ~  [via_pad_0.4x0.8mm]  65.09 40.51 0 top
~#1121  ~  [via_pad_0.4x0.8mm]  89.22 40.51 0 top
~#1122  ~  [via_pad_0.4x0.8mm]  113.35 40.51 0 top
~#1123  ~  [via_pad_0.4x0.8mm]  137.48 40.51 0 top
~#1124  ~  [via_pad_0.4x0.8mm]  161.61 40.51 0 top
~#1125  ~  [via_pad_0.4x0.8mm]  186.37 40.51 0 top
~#1126  ~  [via_pad_0.4x0.8mm]  210.5 40.51 0 top
~#1127  ~  [via_pad_0.4x0.8mm]  234.63 40.51 0 top
~#1128  -  [mounting_hole_pad_3.2x6mm]  110.81 150.37 0 top
~#1129  ~  [via_pad_0.4x0.8mm]  105.09 136.91 0 top
~#1130  ~  [via_pad_0.4x0.8mm]  109.54 136.91 0 top
~#1131  ~  [via_pad_0.4x0.8mm]  109.54 132.08 0 top
~#1132  ~  [via_pad_0.4x0.8mm]  105.09 132.08 0 top
~#1133  ~  [via_pad_0.4x0.8mm]  107.38 134.62 0 top
~#1134  ~  [via_pad_0.4x0.8mm]  153.1 134.62 0 top
~#1135  ~  [via_pad_0.4x0.8mm]  150.81 137.03 0 top
~#1136  ~  [via_pad_0.4x0.8mm]  155.26 137.03 0 top
~#1137  ~  [via_pad_0.4x0.8mm]  155.26 132.33 0 top
~#1138  ~  [via_pad_0.4x0.8mm]  150.81 132.33 0 top
~#1139  ~  [via_pad_0.4x0.8mm]  24.57 155.45 0 top
~#1140  ~  [via_pad_0.4x0.8mm]  48.83 159.26 0 top
~#1141  ~  [via_pad_0.4x0.8mm]  119.32 136.65 0 top
~#1142  ~  [via_pad_0.4x0.8mm]  134.68 130.05 0 top
~#1143  ~  [via_pad_0.4x0.8mm]  93.41 128.52 0 top
~#1144  ~  [via_pad_0.4x0.8mm]  115.63 125.48 0 top
~#1145  ~  [via_pad_0.4x0.8mm]  161.35 125.73 0 top

## Footprints (pads in the part's own frame, mm; a bottom-side part is the same pattern mirrored in y, then rotated)
1x2_pinheader_2.54mm_vertical
  rect 1.25x3 smd: 1(-1.27,1.375) 2(1.27,-1.375)
1x3_pinheader_2.54mm_vertical
  rect 1.25x3 smd: 1(-2.54,1.375) 2(0,-1.375) 3(2.54,1.375)
1x4_idc_lsa_connector_general
  rect 3.1x3.1 hole 1.5: 1(0,0)
  oval 3.1x3.1 hole 1.5: 2(0,-3.64) 3(0,-7.28) 4(0,-10.92)
1x4_pinsocket_2.54mm_vertical_8.4mm
  rect 2.1x2.1 hole 1: 1(0,0)
  oval 2.1x2.1 hole 1: 2(0,-2.54) 3(0,-5.08) 4(0,-7.62)
1x20_pinsocket_2.54mm_vertical_8.5mm
  rect 2.1x2.1 hole 1: 1(0,0)
  round 2.1 hole 1: 2(0,-2.54) 3(0,-5.08) 4(0,-7.62) 5(0,-10.16) 6(0,-12.7) 7(0,-15.24) 8(0,-17.78) 9(0,-20.32) 10(0,-22.86) 11(0,-25.4) 12(0,-27.94) 13(0,-30.48) 14(0,-33.02) 15(0,-35.56) 16(0,-38.1) 17(0,-40.64) 18(0,-43.18) 19(0,-45.72) 20(0,-48.26)
2x10_pinheader_2.54mm_vertical
  rect 1.3x3.3 smd: 1(-11.43,-2.525) 2(-11.43,2.525) 3(-8.89,-2.525) 5(-6.35,-2.525) 6(-6.35,2.525) 7(-3.81,-2.525) 8(-3.81,2.525) 9(-1.27,-2.525) 10(-1.27,2.525) 11(1.27,-2.525) 12(1.27,2.525) 13(3.81,-2.525) 14(3.81,2.525) 15(6.35,-2.525) 16(6.35,2.525) 17(8.89,-2.525) 18(8.89,2.525) 19(11.43,-2.525) 20(11.43,2.525)
  rect 1.3x3.25 smd: 4(-8.89,2.525)
2x20_pinheader_2.54mm_rpi_rl
  rect 1.7x1.7 hole 1: 1(-1.27,0)
  round 1.7 hole 1: 2(1.27,0) 3(-1.27,-2.54) 4(1.27,-2.54) 5(-1.27,-5.08) 6(1.27,-5.08) 7(-1.27,-7.62) 8(1.27,-7.62) 9(-1.27,-10.16) 10(1.27,-10.16) 11(-1.27,-12.7) 12(1.27,-12.7) 13(-1.27,-15.24) 14(1.27,-15.24) 15(-1.27,-17.78) 16(1.27,-17.78) 17(-1.27,-20.32) 18(1.27,-20.32) 19(-1.27,-22.86) 20(1.27,-22.86) 21(-1.27,-25.4) 22(1.27,-25.4) 23(-1.27,-27.94) 24(1.27,-27.94) 25(-1.27,-30.48) 26(1.27,-30.48) 27(-1.27,-33.02) 28(1.27,-33.02) 29(-1.27,-35.56) 30(1.27,-35.56) 31(-1.27,-38.1) 32(1.27,-38.1) 33(-1.27,-40.64) 34(1.27,-40.64) 35(-1.27,-43.18) 36(1.27,-43.18) 37(-1.27,-45.72) 38(1.27,-45.72) 39(-1.27,-48.26) 40(1.27,-48.26)
